# Altium PCB board_ordered.PcbDoc (part 1 of 2) (continued)
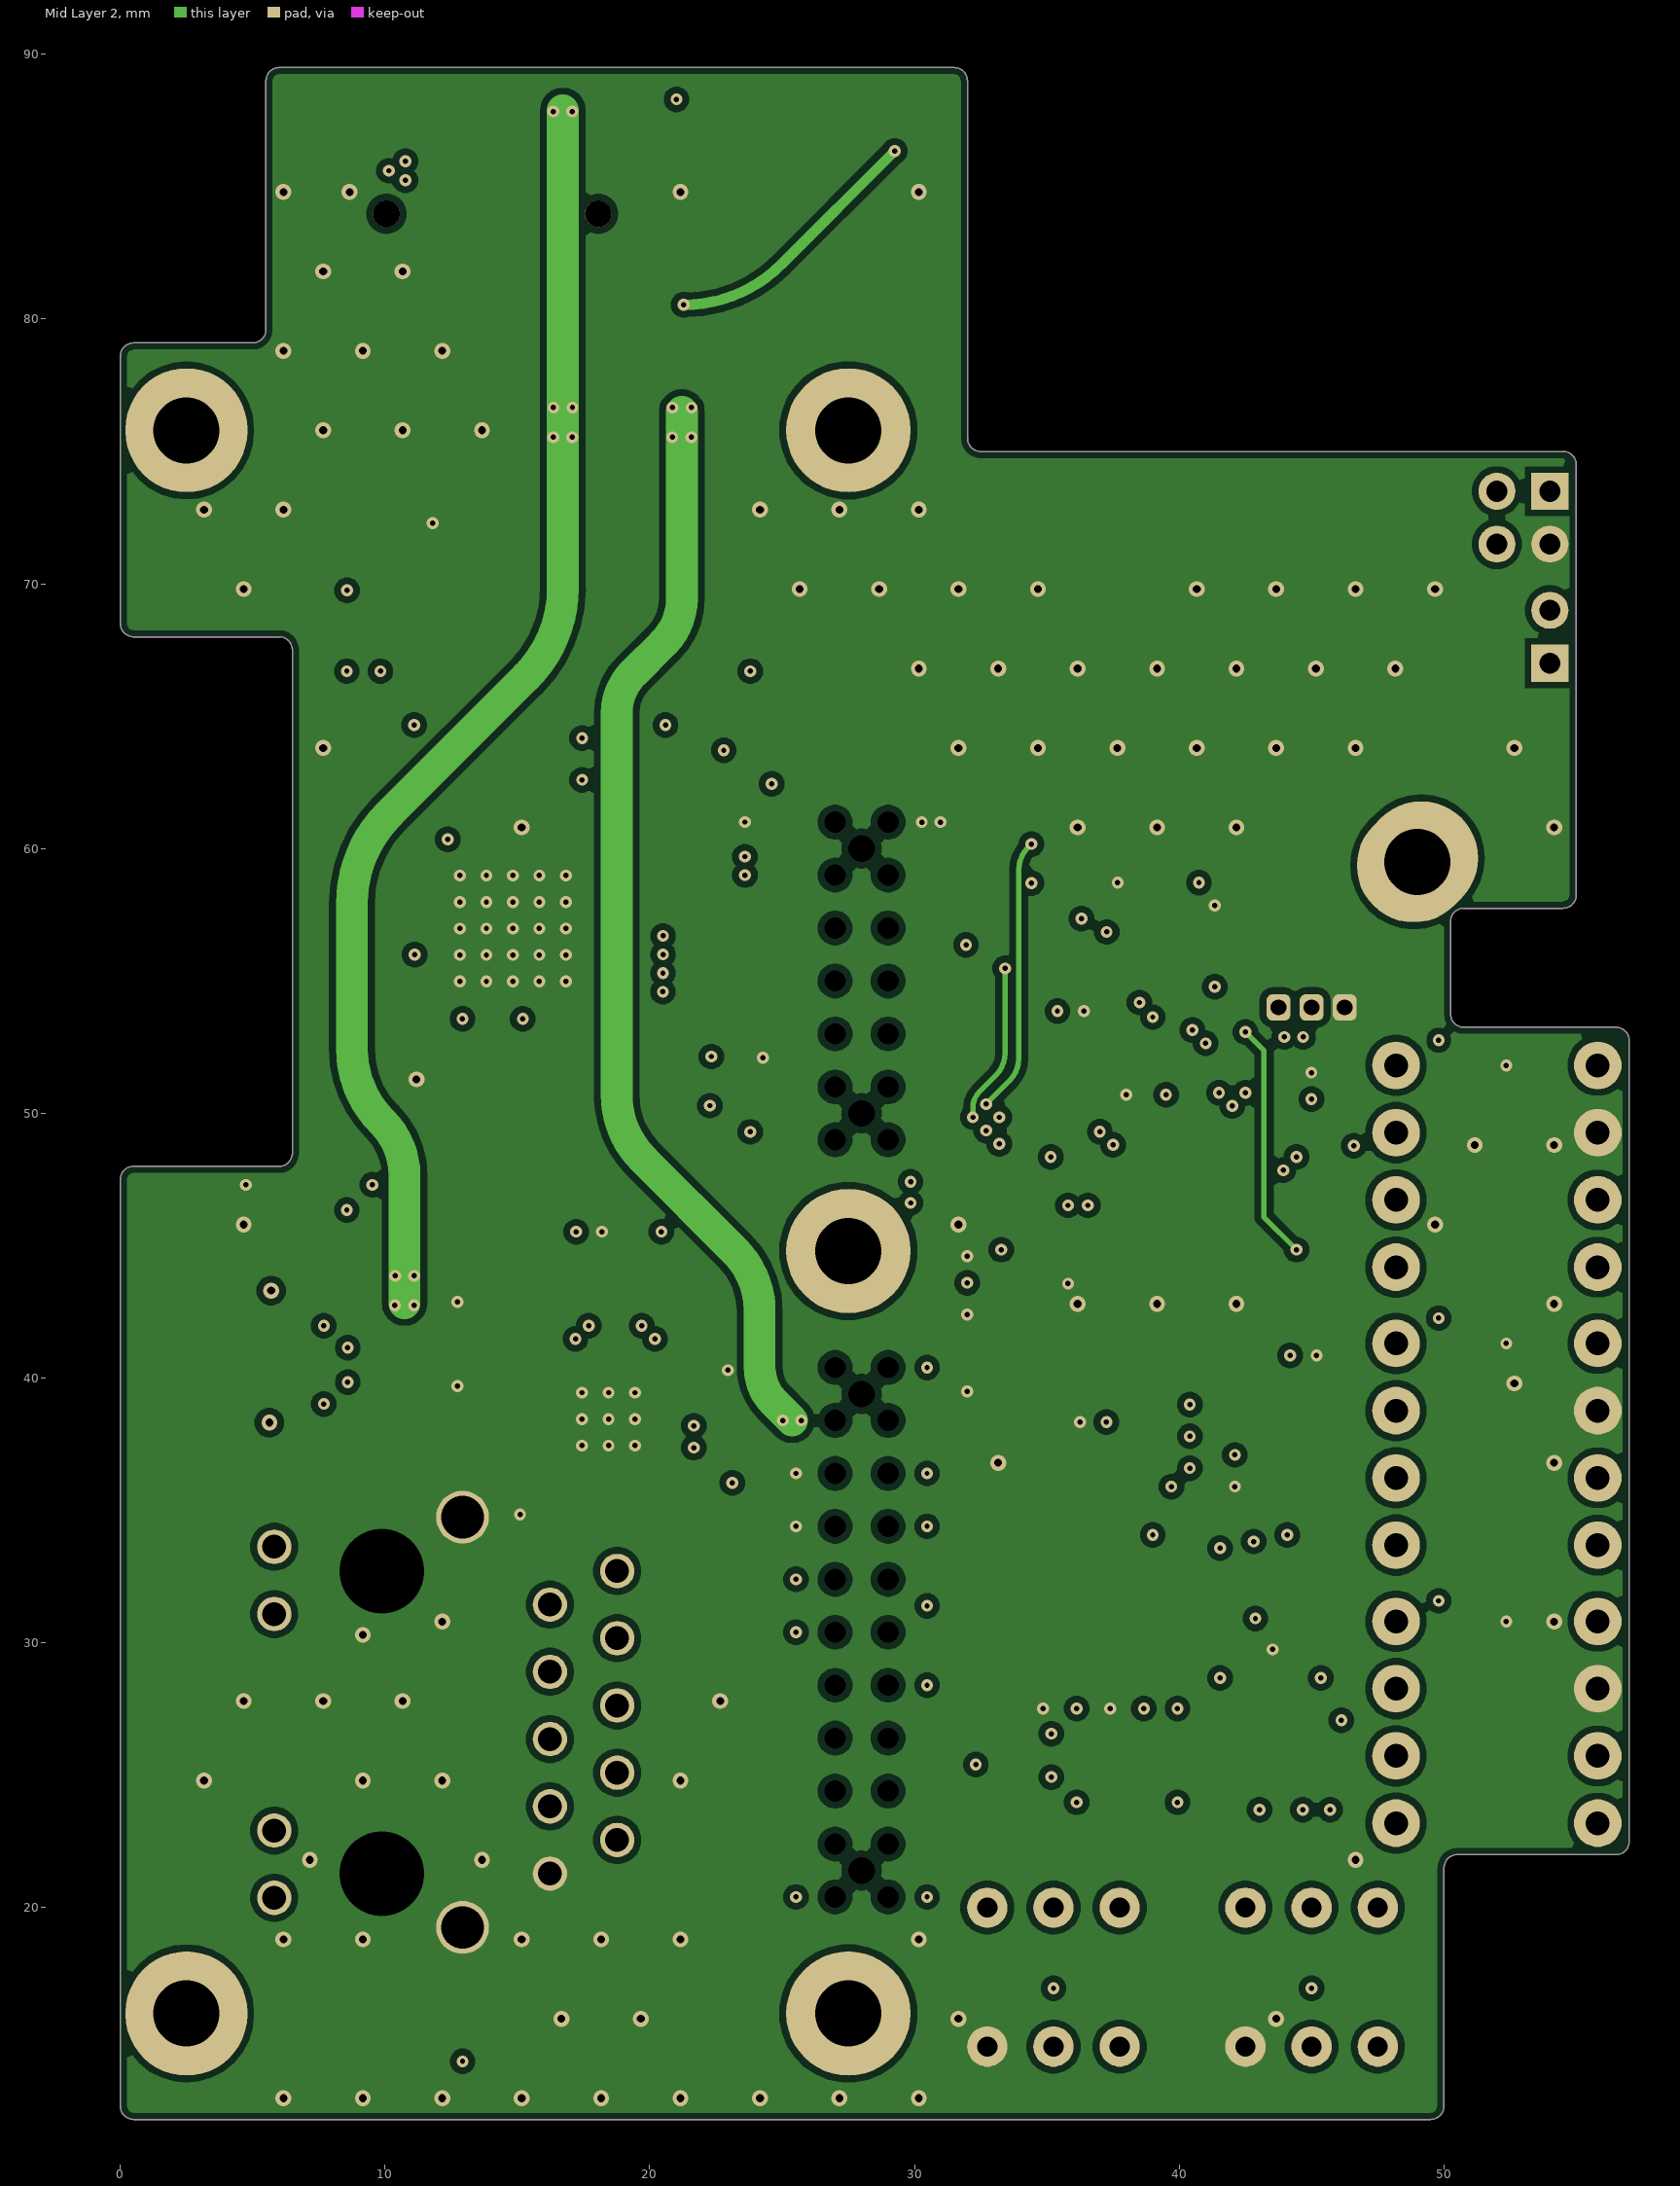
[diagram p3: Mid Layer 2]
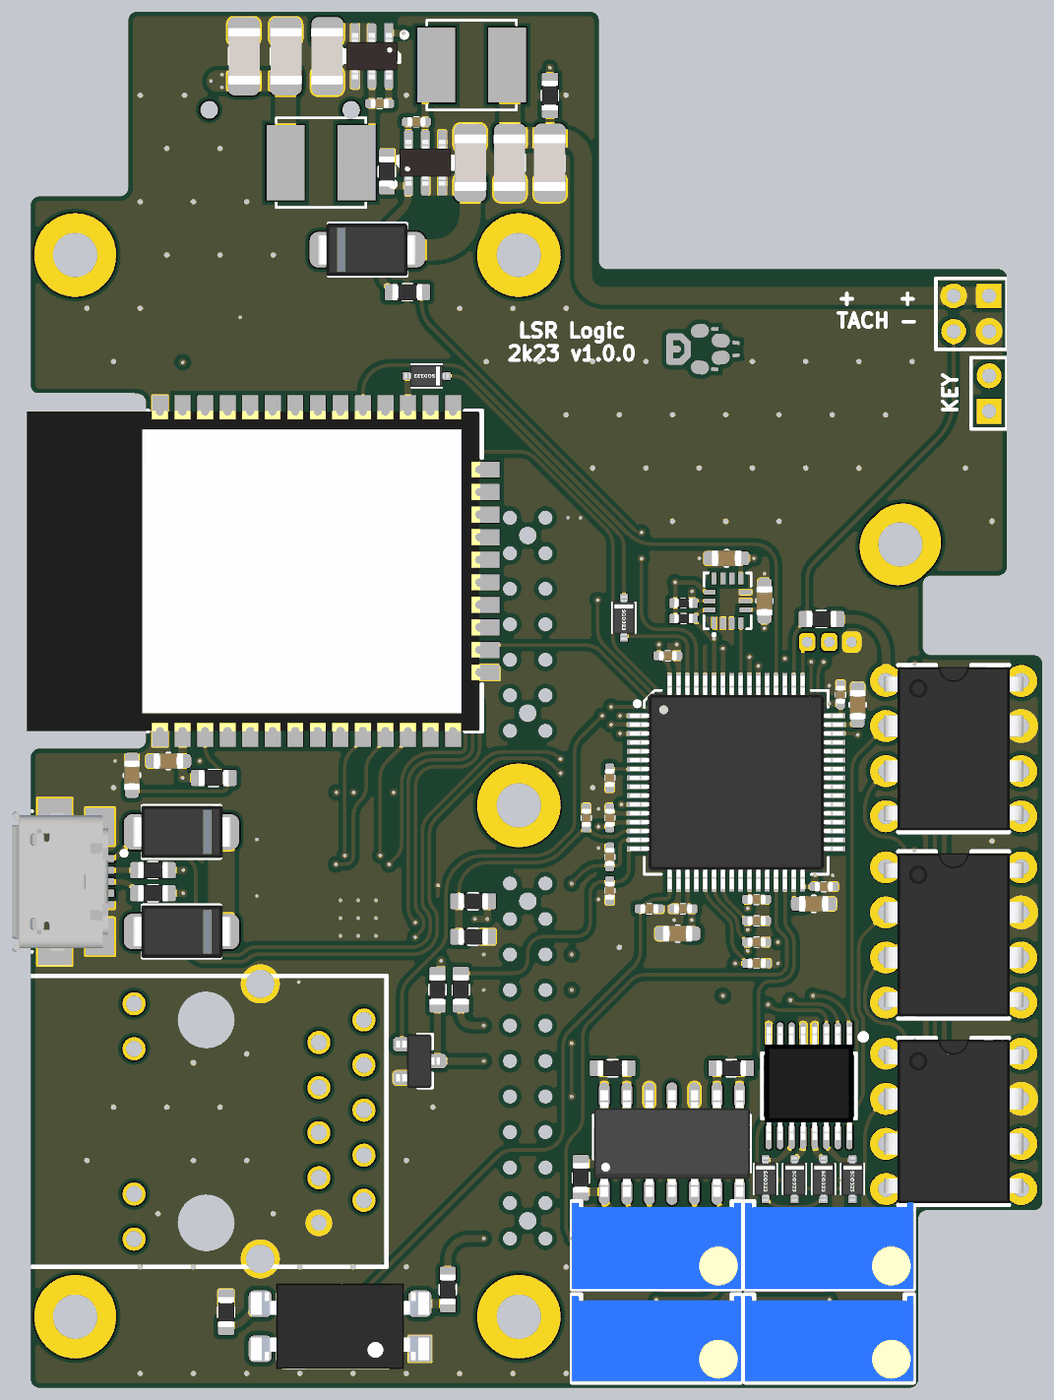
[diagram p5: 3D render of the assembled board from above, using the file's embedded part models]
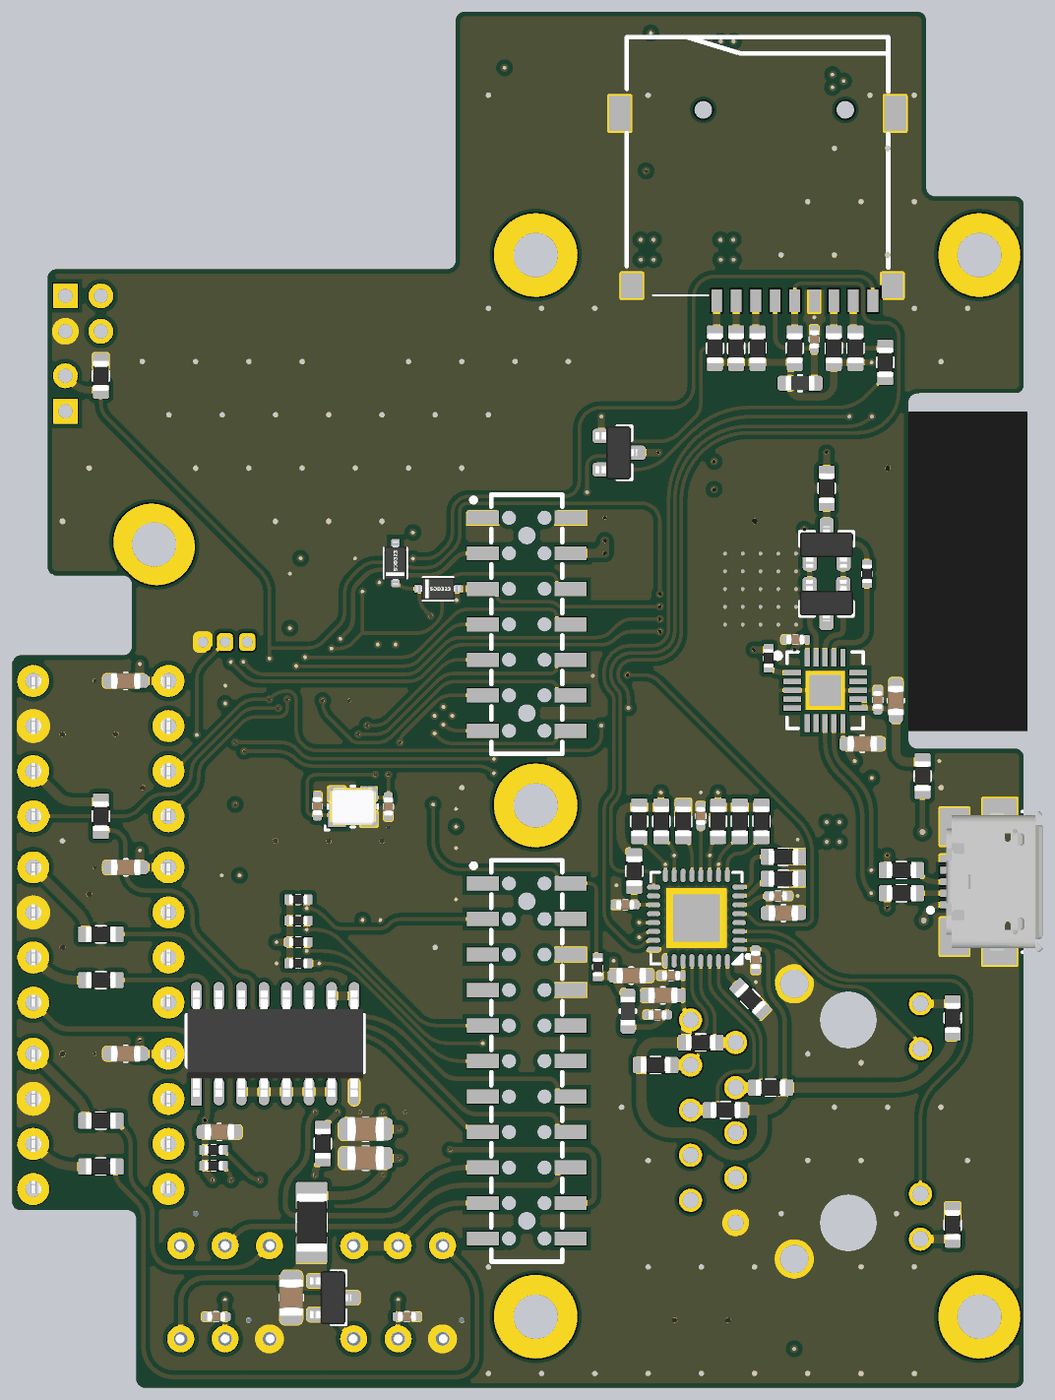
[diagram p6: 3D render of the assembled board from below, using the file's embedded part models]

## Layer stack, top to bottom
Top Solder: solder mask 0.0127, Solder Resist, Dk 3.8
Top Layer: signal copper 0.035
Dielectric 1: prepreg 0.1, 2313, Dk 4.05
Mid Layer 1: signal copper 0.0175
Core: core 1.265, FR-4, Dk 4.5
Mid Layer 2: signal copper 0.0175
Dielectric 2: prepreg 0.1, 2313, Dk 4.05
Bottom Layer: signal copper 0.035
Bottom Solder: solder mask 0.0127, Solder Resist, Dk 3.8

## Board outline
0,12.5 0,47.5 cw(c0.5,47.5) 0.5,48 6,48 ccw(c6,48.5) 6.5,48.5 6.5,67.5 ccw(c6,67.5) 6,68 0.5,68 cw(c0.5,68.5) 0,68.5 0,78.6 cw(c0.5,78.6) 0.5,79.1 5,79.1 ccw(c5,79.6) 5.5,79.6 5.5,89 cw(c6,89) 6,89.5 31.5,89.5 cw(c31.5,89) 32,89 32,75.5 ccw(c32.5,75.5) 32.5,75 54.5,75 cw(c54.5,74.5) 55,74.5 55,58.25 cw(c54.5,58.25) 54.5,57.75 50.75,57.75 ccw(c50.75,57.25) 50.25,57.25 50.25,53.75 ccw(c50.75,53.75) 50.75,53.25 56.5,53.25 cw(c56.5,52.75) 57,52.75 57,22.5 cw(c56.5,22.5) 56.5,22 50.5,22 ccw(c50.5,21.5) 50,21.5 50,12.5 cw(c49.5,12.5) 49.5,12 0.5,12 cw(c0.5,12.5)

## Design rules (kind name [scope] priority, off if disabled: settings)
AcuteAngle [All] p1: minimum=6.00000000000000E+0001 checktracksonly=FALSE
Clearance Clearance_1 [All] p1: gap=0.25 ignorepadtopadclearanceinfootprint=FALSE except(0.13: Arc-Arc Arc-Track Arc-SMDPad Arc-Via Track-Track Track-SMDPad Track-Via SMDPad-SMDPad SMDPad-Via THPad-Via Via-Via; 0.15: Arc-THPad Arc-Text Arc-Hole Track-THPad Track-Text Track-Hole SMDPad-THPad SMDPad-Text SMDPad-Hole THPad-THPad THPad-Text THPad-Hole Via-Text Via-Hole Fill-Text Fill-Hole Poly-Text Poly-Hole Region-Text Region-Hole Text-Text Text-Hole)
ComponentClearance ComponentClearance_1 [OnLayer('Mechanical 15') vs HasFootprint('CONN_FPC_31P-P0.50_0.5K-AS-31PWB') or HasFootprint('HDR-1X10_2.54')] p1: gap=-1 collisioncheckmode=3 verticalgap=2540 showdistances=FALSE
ComponentClearance ComponentClearance_2 [OnLayer('Mechanical 15') or HasFootprint('RES-ADJ-TH_3P-L10.0-W10.0-P2.50-L')] p2: gap=0.001 collisioncheckmode=3 verticalgap=0.001 showdistances=FALSE
ComponentClearance [All] p3: gap=0.2 collisioncheckmode=3 verticalgap=0.2 showdistances=FALSE
Height [All] p1: minheight=0 maxheight=500 prefheight=12.7
HoleSize [All] p1: absolutevalues=TRUE maxlimit=6 minlimit=0.2 maxpercent=80.000 minpercent=20.000
HoleToHoleClearance HoleToHoleClearance_1 [IsVia vs IsThruPin] p1: gap=0.7 allowstackedmicrovias=TRUE
HoleToHoleClearance [All] p2: gap=0.5 allowstackedmicrovias=TRUE
MinimumSolderMaskSliver [All] p1 off: minsoldermaskwidth=0.254
PlaneClearance [All] p1: clearance=0.45
PlaneConnect [All] p1: planeconnectstyle=Direct reliefexpansion=0.3 reliefentries=4 reliefconductorwidth=0.381 reliefairgap=0.178
PolygonConnect [All] p1: connectstyle=Direct reliefconductorwidth=0.381 reliefentries=4 polygonreliefangle="90 Angle" airgapwidth=0.356
RoutingVias [All] p1: holewidth=0.3 width=0.6 viastyle="Through Hole" minholewidth=0.2 minwidth=0.45 maxholewidth=0.9 maxwidth=1.27
SilkToSilkClearance [All] p1 off: silktosilkclearance=0.254
SilkToSolderMaskClearance [IsPad] p1 off: minsilkscreentomaskgap=0.254 clearancetoexposedcopper=TRUE
SolderMaskExpansion [All] p1: expansion=0.102 istentingtop=FALSE
UnRoutedNet [All] p1: checkbadconnections=TRUE
Width [All] p1: maxlimit=3.81 minlimit=0.14 preferedwidth=0.254
20 further rules are at their usual default settings.

## Components (designator, comment, footprint, x,y, rotation, side; value= is the part's Value field where it differs from the comment)
C1 "100n" C0402 40.9,35.9 r180 top
C2 "100n" C0402 32.624,40 r90 top
C3 "100n" C0402 40.9,37.1 r180 top
C4 "100n" C0402 8.22,50.733 r270 bottom
C5 "100n" C0402 40.9,38.3 r180 top
C6 "1u" C0603 7.202,50.707 r270 bottom
C7 "100n" C0402 31.3,44.1 r270 top
C8 "100n" C0402 34.854,38.974 r180 top
C9 "100n" C0402 40.9,39.5 r180 top
C10 "1u" C0603 9.096,48.269 r0 bottom
C11 "1u" C0805 37.076,24.933 r180 bottom
C12 "1u" C0805 37.076,26.567 r0 bottom
C13 "100n" C0603 50.6,51.81 r180 bottom
C14 "100n" C0603 45.325,26.402 r0 bottom
C15 "100n" C0402 12.855,54.143 r180 bottom
C16 "100n" C0402 32.624,41.9 r270 top
C17 "100n" C0603 50.6,41.31 r180 bottom
C18 "1u" C0805 41.274,17.076 r90 bottom
C19 "100n" C0603 50.6,30.81 r180 bottom
C20 "100nF" C0402 11.801,71.054 r270 bottom
C21 "2u2" C0603 39.208,58.715 r180 top
C22 "100n" C0603 41.343,56.317 r90 top
C23 "100n" C0402 34.75,16 r0 bottom
C24 "100n" C0402 45.5,16 r180 bottom
C25 "18pF" C0402 39.8,44.759 r270 bottom
C26 "18pF" C0402 35.8,44.734 r90 bottom
C27 "100n" C0402 32.624,46.35 r90 top
C28 "1u" C0603 7.755,47.3 r0 top
C29 "10u" C0603 22.118,35.215 r0 bottom
C30 "100n" C0402 35.898,53.225 r180 top
C31 "1u" C0603 5.7,46.5 r270 top
C32 "100n" C0402 36.75,38.974 r0 top
C33 "100n" C0402 45.628,51.037 r270 top
C34 "10u" C0603 20.329,34.1 r180 bottom
C35 "100n" C0402 32.624,44.1 r270 top
C36 "100n" C0402 44.687,40.221 r180 top
C37 "100n" C0402 22.446,39.2 r180 bottom
C38 "2.2u" C0603 46.593,50.467 r270 top
C39 "1u" C0603 36.449,37.577 r0 top
C40 "2.2u" C0603 13.538,38.735 r0 bottom
C41 "2.2u" C0603 44.117,39.256 r180 top
C42 "100n" C0402 15.1,36.1 r90 bottom
C43 "100n" C0402 13.838,39.7 r0 bottom
C44 "100n" C0402 18.192,44.202 r270 bottom
C45 "100n" C0402 19.864,35.215 r180 bottom
C46 "100n" C0402 20.629,33 r180 bottom
C47 "10uF" C1206 16.715,87 r90 top
C48 "10uF" C1206 24.752,81 r270 top
C49 "100nF" C0402 19.654,84.332 r0 top
C50 "100nF" C0402 21.728,83.298 r180 top
C51 "10uF" C1206 14.358,87 r270 top
C52 "10uF" C1206 29.254,81 r90 top
C53 "10uF" C1206 12,87 r270 top
C54 "10uF" C1206 27.003,81 r90 top
D1 "WO" SMA 8.488,43.305 r0 top
D2 "WO" SMA 8.488,37.695 r0 top
D3 "" SOD-323 46.3,23.75 r270 top
D4 "" SOD-323 44.667,23.75 r270 top
D5 "" SOD-323 43.033,23.75 r270 top
D6 "" SOD-323 41.4,23.75 r270 top
D7 "BAT54C" SOT-23 22.795,64.665 r0 bottom
D8 "" SOD-323 33,57 r180 bottom
D9 "" SOD-323 22.31,68.992 r180 top
D10 "" SOD-323 33.42,55.372 r270 top
D11 "" SOD-323 35.406,58.448 r90 bottom
D12 "WO" SMA 18.965,76.098 r180 top
J1 "MICROQTJ" CONN-USB-MICRO_#1 4.7,40.5 r180 top
J2 "MICROQTJ" CONN-USB-MICRO_#1 4.7,40.5 r180 bottom
J3 "TF-01A" TF-SMD_TF-01A 15,78.5 r0 bottom
J4 "SWD" HDR-1x3-P1.25 45,54 r0 top
J5 "6-6605435-1" 6-6605435-1 17.5,27 r270 top
J6 "Key" HDR-1X2-P2.00 54,68 r90 top
J7 "FAN" HDR-2X2-P2.00 53,72.5 r270 top
J8 "" CONN-SMD_HDR_2X11 28,30.4 r270 bottom locked
J9 "" CONN-SMD_HDR_2X7 28,55 r270 bottom locked
L1 "BEAD" L0603 12.601,68.58 r180 bottom
L2 "BEAD" L0603 22.3,33.211 r90 bottom
L3 "3.9uH" IND_5020_L5.0-W5.0 16.358,81 r0 top
L4 "3.9uH" IND_5020_L5.0-W5.0 24.841,86.5 r180 top
LOGO? "LOGO" LOGO 36,70.5 r270 top
Q1 "PDTC143" SOT-23 11.116,56.168 r90 bottom
Q2 "PDTC143" SOT-23 11.102,59.514 r270 bottom
Q3 "PDTC143" SOT-23 21.919,30.4 r180 top
R1 "2k2" R0603 12.901,70.554 r270 bottom
R2 "10k 1%" R0402 40.876,35.9 r180 bottom
R3 "10k" R0603 24.232,34.415 r90 top
R4 "62k" R0603 23.5,17.533 r270 top
R5 "10k" R0603 15.001,70.554 r270 bottom
R6 "2k2" R0603 16.201,70.554 r270 bottom
R7 "22" R0603 6.887,41.15 r0 top
R8 "22" R0603 6.887,39.85 r0 top
R9 "22" R0603 6.887,39.85 r0 bottom
R10 "22" R0603 6.887,41.15 r0 bottom
R11 "2k2" R0603 17.401,70.554 r270 bottom
R12 "10k 1%" R0402 40.876,37.1 r180 bottom
R13 "0R47" R0603 5.7,46.45 r90 bottom
R14 "2k2" R0603 9.475,70.554 r270 bottom
R15 "2k2" R0603 10.701,70.554 r270 bottom
R16 "33k" R0603 24.925,39.4 r180 top
R17 "2k" R0603 24.925,37.4 r0 top
R18 "10k 1%" R0402 40.876,38.3 r180 bottom
R19 "12k" R0603 11,16.263 r90 top
R20 "220" R0603 7.8,69.754 r270 bottom
R21 "10k 1%" R0402 40.876,39.5 r0 bottom
R22 "1k5" R1206 40.125,21.3 r270 bottom
R23 "1k" R0402 45.649,24.5 r180 bottom
R24 "1k" R0402 45.649,25.4 r180 bottom
R25 "1k" RES-ADJ-TH_3P-L10.0-W10.0-P2.50-L 35.25,14.75 r180 top
R26 "1k" RES-ADJ-TH_3P-L10.0-W10.0-P2.50-L 45,14.75 r180 top
R27 "1k" R0603 52,24.46 r0 bottom
R28 "220" R0603 11.102,62.662 r90 bottom
R29 "10k" RES-ADJ-TH_3P-L10.0-W10.0-P2.50-L 35.25,20 r180 top
R30 "1k" R0603 52,27.04 r0 bottom
R31 "10k" RES-ADJ-TH_3P-L10.0-W10.0-P2.50-L 45,20 r180 top
R32 "10k" R0603 31,23.825 r270 top
R33 "10k" R0603 39.5,25.75 r270 bottom
R34 "10k" R0603 52,37.54 r0 bottom
R35 "10k" R0603 52,34.96 r0 bottom
R36 "10k" R0603 52,44.196 r90 bottom
R37 "10k" R0603 32.784,30 r0 top
R38 "10k" R0603 39.464,30 r180 top
R39 "2k2" R0603 14.77,43.904 r90 bottom
R40 "2k2" R0603 13.538,41.91 r0 bottom
R41 "2k2" R0603 15.996,43.904 r90 bottom
R42 "2k2" R0603 13.538,40.665 r0 bottom
R43 "2k2" R0603 17.221,43.904 r90 bottom
R44 "2k2" R0603 19.18,43.902 r270 bottom
R45 "2k2" R0603 21.665,43.902 r90 bottom
R46 "2k2" R0603 20.423,43.902 r90 bottom
R47 "10k" R0402 24,35.691 r90 bottom
R48 "220" R0402 14.376,53.09 r90 bottom
R49 "220" R0402 8.837,57.841 r90 bottom
R50 "1k" R0603 10.309,46.346 r0 top
R51 "12k1" R0603 15.4,33.9 r225 bottom
R52 "10k" R0603 21.946,41.1 r270 bottom
R53 "49.9" R0603 18.2,31.445 r180 bottom
R54 "49.9" R0603 20.74,30.175 r180 bottom
R55 "49.9" R0603 14.26,28.905 r0 bottom
R56 "2k2" R0402 36.782,56.201 r180 top
R57 "49.9" R0603 16.8,27.635 r0 bottom
R58 "2k2" R0402 36.782,55.326 r180 top
R59 "330" R0603 4,32.829 r90 bottom
R60 "330" R0603 4,21.171 r90 bottom
R61 "10k" R0603 44.55,55.296 r0 top
R62 "10k" R0603 22.919,34.415 r90 top
R63 "10k" R0603 52,69 r270 bottom
R64 "1k" R0603 21.215,73.711 r180 top
R65 "100k" R0603 20.06,80.5 r90 top
R66 "6k8" R0603 29.254,84.785 r270 top
U1 "74LVC161D,118" SOIC-16 42.175,31.377 r180 bottom
U2 "PC817" SMD-4 17.428,15.462 r90 top
U3 "74AC138MTCX" TSSOP-16 43.85,29 r270 top
U4 "FT231XQ-R" QFN-20_L4.0-W4.0-P0.50-BL-EP2.2 11.188,51.282 r270 bottom
U5 "LSM6DS3TR-C" LGA-14_L3.0-W2.5-P0.50-TL 39.258,56.317 r90 top
U6 "2.048V" SOT-23 38.899,17.069 r0 bottom
U7 "MCP4822-E/P" DIP-8 52,27 r270 top
U8 "MCP4822-E/P" DIP-8 52,37.5 r270 top
U9 "MCP4822-E/P" DIP-8 52,48 r270 top
U10 "TL084" SOIC-14 36.124,25.75 r0 top
U11 "LAN8710AI-EZK-TR-ABC" QFN-32_L5.0-W5.0-P0.50-BL-EP3.3 18.443,38.45 r90 bottom
U12 "STM32F405RGT6" LQFP-64 39.749,46.1 r270 top
U13 "ESP32-WROOM-32(8MB)" WIFIM-SMD_39P-L25.5-W18.0-P1.27 16.25,58 r90 top
U14 "AP63203" SOT-23-6 19.221,87 r180 top
U15 "AP63203" SOT-23-6 22.228,81 r0 top
X1 "12MHZ" CRYSTAL_2.5x2.0mm 37.8,44.734 r180 bottom

## Footprints (in the part's own frame and the unit in brackets; to place one, negate y for a bottom-side part, rotate by r counter-clockwise, add the part's x,y. Pads: shape width x height; smd on the part's side, far side on the other; paste and mask are expansions set on the pad)
6-6605435-1 [mm]
  round 1.3 hole 0.9: 1(-5.715,1.27) 2(-4.445,-1.27) 3(-3.175,1.27) 4(-1.905,-1.27) 5(-0.635,1.27) 6(0.635,-1.27) 7(1.905,1.27) 8(3.175,-1.27) 9(4.445,1.27) 10(5.715,-1.27) 11(-6.629,-11.684) 12(-4.089,-11.684) 13(4.089,-11.684) 14(6.629,-11.684)
  round 2 hole 1.6: 15(-7.747,-4.572) 15(7.747,-4.572)
  round 0 hole 3.2 unplated: 15(-5.715,-7.62) 15(5.715,-7.62)
  silkscreen extent -8.2,-18.68 8.2,2.54, body extent -8.2,-18.68 8.2,2.54, height 14.2
C0402 [mm] "Chip Capacitor Body"
  rrect50% 0.635x0.508 smd mask+0.05: 1(-0.5,0) 2(0.5,0)
  silkscreen extent -0.13,-0.25 0.13,0.25, body extent -0.52,-0.27 0.53,0.28, height 0.55
C0603 [mil] "Chip Capacitor"
  rrect50% 38x31 smd mask+1.97: 1(-31.5,0) 2(31.5,0)
  silkscreen extent -3,-17 3,17, body extent -33,-18 33,18, height 35
C0805 [mil] "Chip Capacitor"
  rrect50% 45x50 smd mask+1.97: 1(-37.5,0) 2(37.5,0)
  silkscreen extent -6,-25 6,25, body extent -41,-27 41,27, height 53
C1206 [mm] "Chip Capacitor"
  rrect50% 1.6x1.8 smd: 1(-1.4,0) 2(1.4,0)
  silkscreen extent -0.45,-0.8 0.45,0.8, body extent -1.6,-0.88 1.6,0.92, height 1.6
CONN-SMD_HDR_2X7 [mm]
  rect 0.8x1.8 smd paste+0 mask+0.051: 1(-6,-2.475) 2(-6,2.475) 3(-4,-2.475) 4(-4,2.475) 5(-2,-2.475) 6(-2,2.475) 7(0,-2.475) 8(0,2.475) 9(2,-2.475) 10(2,2.475) 11(4,-2.475) 12(4,2.475) 13(6,-2.475) 14(6,2.475)
  round 0 hole 0.8 unplated: M4(-6,-1) M4(-6,1) M4(-4,-1) M4(-4,1) M4(-2,-1) M4(-2,1) M4(0,-1) M4(0,1) M4(2,-1) M4(2,1) M4(4,-1) M4(4,1) M4(6,-1) M4(6,1)
  round 0 hole 1 unplated paste-2539.97: ""(-5,0) ""(5,0)
  silkscreen extent -7.3,-3.13 7.3,2, body extent -7.15,-2 7.15,2, height 2.5
CONN-SMD_HDR_2X11 [mm]
  rect 0.8x1.8 smd paste+0 mask+0.051: 1(-10,-2.475) 2(-10,2.475) 3(-8,-2.475) 4(-8,2.475) 5(-6,-2.475) 6(-6,2.475) 7(-4,-2.475) 8(-4,2.475) 9(-2,-2.475) 10(-2,2.475) 11(0,-2.475) 12(0,2.475) 13(2,-2.475) 14(2,2.475) 15(4,-2.475) 16(4,2.475) 17(6,-2.475) 18(6,2.475) 19(8,-2.475) 20(8,2.475) 21(10,-2.475) 22(10,2.475)
  round 0 hole 0.8 unplated: M4(-10,-1) M4(-10,1) M4(-8,-1) M4(-8,1) M4(-6,-1) M4(-6,1) M4(-4,-1) M4(-4,1) M4(-2,-1) M4(-2,1) M4(0,-1) M4(0,1) M4(2,-1) M4(2,1) M4(4,-1) M4(4,1) M4(6,-1) M4(6,1) M4(8,-1) M4(8,1) M4(10,-1) M4(10,1)
  round 0 hole 1 unplated paste-2539.97: ""(-9,0) ""(9,0)
  silkscreen extent -11.3,-3.13 11.3,2, body extent -11.15,-2 11.15,2, height 2.5
CONN-USB-MICRO_#1 [mm] "Connector; USB2.0, Type B, SM; 5 Position; Right Angle"
  rect 1.35x0.4 smd: 1(0.675,-1.3) 2(0.675,-0.65) 3(0.675,0) 4(0.675,0.65) 5(0.675,1.3)
  rect 1.6x2.1 smd: 6(0.8,3.1) 6(0.8,-3.1)
  rect 1.9x1.8 smd: 6(3.35,3.8) 6(3.35,-1.15) 6(3.35,1.15) 6(3.35,-3.8)
  silkscreen extent -0.68,-3.98 5.55,3.95, body extent 0.35,-3.99 5.78,3.99, height 2.69
CRYSTAL_2.5x2.0mm [mm]
  rect 1x0.9 smd paste+0 mask+0.051: 1(-0.9,-0.7)
  rrect15% 1x0.9 smd paste-2539.97 mask+0.051: 2(0.9,-0.7) 3(0.9,0.7) 4(-0.9,0.7)
  silkscreen extent -1.57,-1.32 1.4,1.15, body extent -1.3,-1.05 1.3,1.05, height 0.55
DIP-8 [mm]
  round 1.8 hole 0.9 paste-2539.97 mask+0.051: 1(-3.81,-3.81) 2(-1.27,-3.81) 3(1.27,-3.81) 4(3.81,-3.81) 5(3.81,3.81) 6(1.27,3.81) 7(-1.27,3.81) 8(-3.81,3.81)
  silkscreen extent -4.7,-3.11 4.7,3.11, body extent -4.6,-3.94 4.6,3.94, height 3.35
HDR-1X2-P2.00 [mm]
  rect 1.4x1.4 hole 0.8 paste-2539.97 mask+0.051: 1(-1,0)
  round 1.4 hole 0.8 paste-2539.97 mask+0.051: 2(1,0)
  silkscreen extent -1.99,-1 2.02,1.03, body extent -2,-1 2,1, height 5.9
HDR-1x3-P1.25 [mm]
  rrect50% 0.9x1 hole 0.6: 1(-1.25,0) 2(0,0) 3(1.25,0)
HDR-2X2-P2.00 [mm]
  rect 1.4x1.4 hole 0.8 paste-2539.97 mask+0.051: 1(-1,1)
  round 1.4 hole 0.8 paste-2539.97 mask+0.051: 2(1,1) 3(-1,-1) 4(1,-1)
  silkscreen extent -1.99,-2 2.02,2.03, body extent -2,-2 2,2, height 5.9
IND_5020_L5.0-W5.0 [mm]
  rect 2.124x4.22 smd: 1(2,0) 2(-2,0)
  silkscreen extent -2.53,-2.53 2.53,2.53, body extent -2.5,-2.5 2.5,2.5, height 2
L0603 [mil] "Chip Inductor"
  rrect50% 38x33.46 smd mask+1.97: 1(-31.5,0) 2(31.5,0)
  silkscreen extent -3,-17 3,17, body extent -31,-16 31,16, height 31
LGA-14_L3.0-W2.5-P0.50-TL [mm]
  rect 0.675x0.28 smd paste+0 mask+0.051: 1(-1.262,0.75) 2(-1.262,0.25) 3(-1.262,-0.25) 4(-1.262,-0.75) 8(1.262,-0.75) 9(1.262,-0.25) 10(1.262,0.25) 11(1.262,0.75)
  rect 0.28x0.675 smd paste+0 mask+0.051: 5(-0.5,-1.012) 6(0,-1.012) 7(0.5,-1.012) 12(0.5,1.012) 13(0,1.012) 14(-0.5,1.012)
  silkscreen extent -1.98,-1.33 1.58,1.33, body extent -1.5,-1.25 1.5,1.25, height 0.83